# Altium PCB RS2-708_V008.PcbDoc (part 3 of 4)
Units mm, origin at the board's own origin, x right, y up, seen from the top; angles counter-clockwise.
Board outline 68 x 68 mm, 4 copper layers (Top Layer, Layer 1, Layer 2, Bottom Layer), stack 0.783 mm thick; 240 components, 170 nets, 860 pads, 385 vias.
Unrouted connection lines stored in the file: 3.
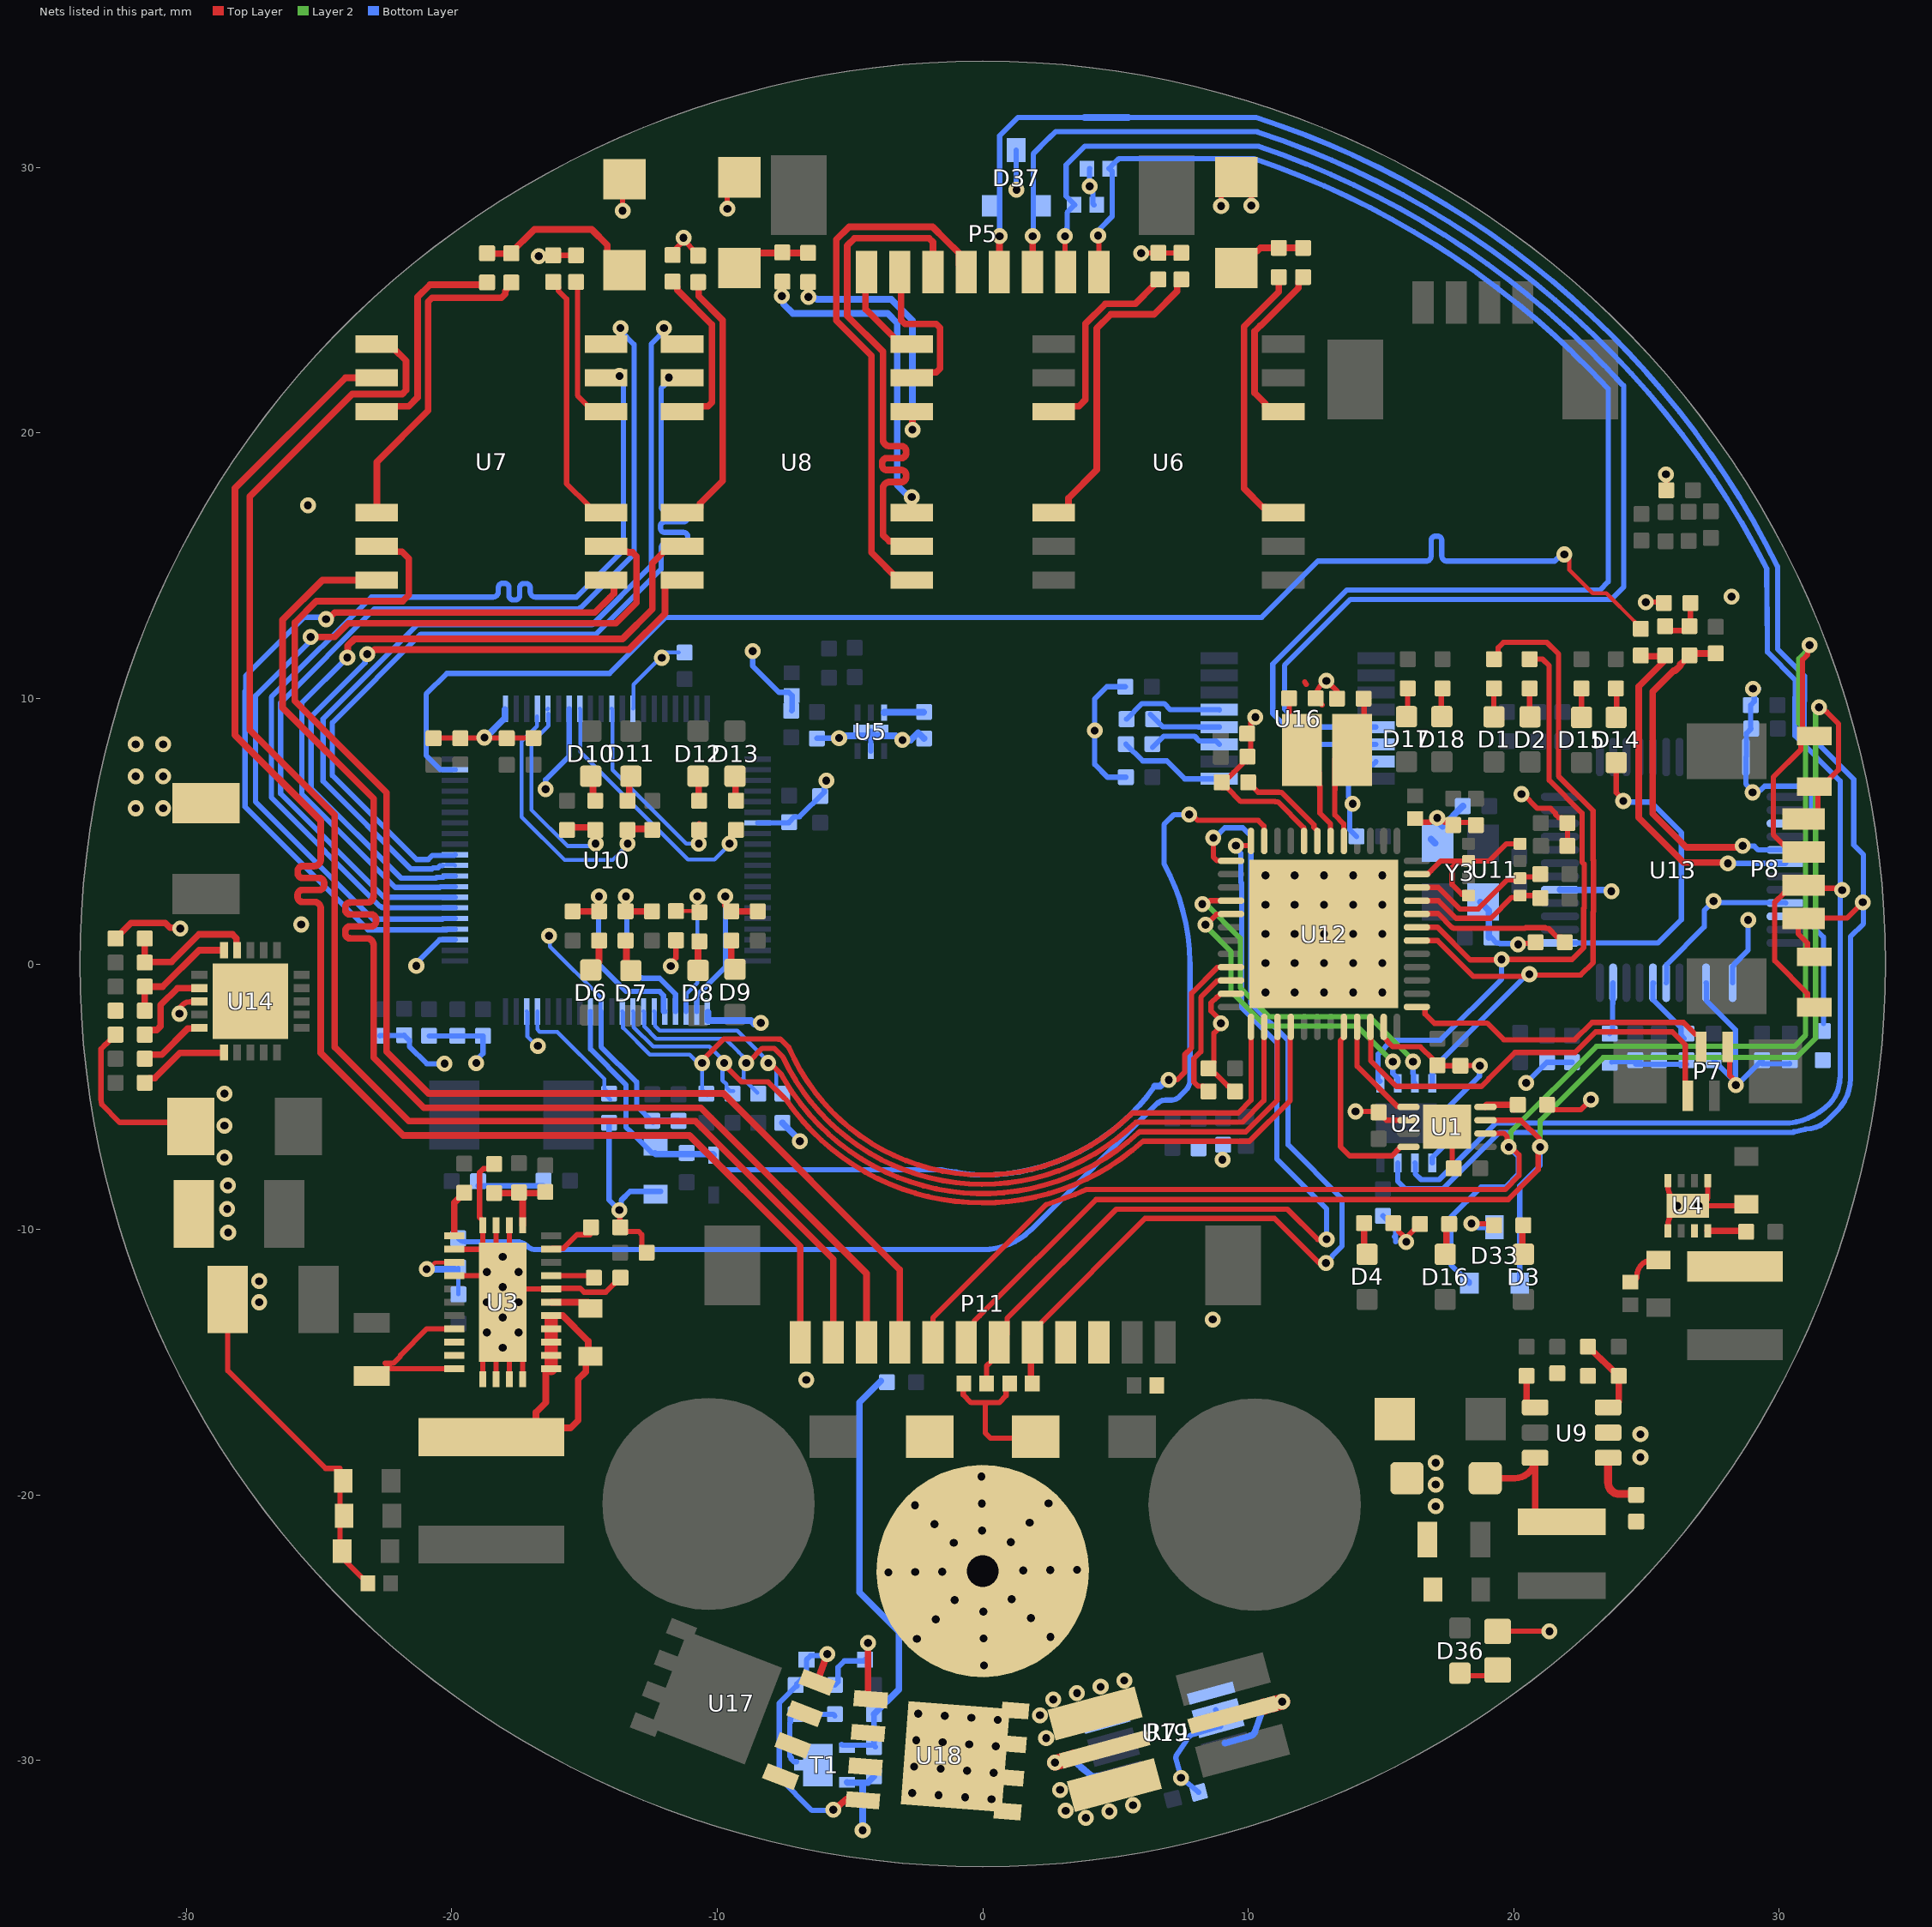
[diagram p5: the nets of this part, all layers, seen from the top]

## Via types
v1: diameter 0.6, hole 0.3, Top Layer to Bottom Layer, tented both sides, 246 vias
v2: diameter 0.6, hole 0.3, Top Layer to Bottom Layer, tented bottom, 99 vias
v3: diameter 0.6, hole 0.3, Top Layer to Bottom Layer, 37 vias
v4: diameter 2, hole 1.2, Top Layer to Bottom Layer, tented bottom, 3 vias

## Nets (pads, with @x,y where several pads share a name; then routed paths per layer and width w, separated by ;. In a path a pad name is that pad's centre, name@x,y a point inside that pad or via, vN(x,y) a via of type N, cw(c..) or ccw(c..) an arc to the next point about the centre after c; other vN are vias at no path point) (continued)
B_TD_P: C24.2 U10.19 | length 54.4
  Top Layer w0.15: v1(21.903,15.421) 21.944,15.421 22.094,15.272 22.094,14.831 22.966,13.958 23.491,13.958 24.562,12.888 24.562,12.821 C24.2@24.66,12.723
  Bottom Layer w0.2: U10.19@-19.873,7.312 -20.427,7.312 -20.965,7.849 -20.965,9.271 -20.963,9.273 -20.963,10.161 -20.181,10.942 -14.051,10.942 -11.942,13.052 10.51,13.052 12.628,15.169 16.591,15.169 16.691,15.169 ccw(c16.691,15.369) 16.891,15.369 16.891,15.951 cw(c17.051,15.951) 17.051,16.111 17.131,16.111 cw(c17.131,15.951) 17.291,15.951 17.291,15.369 ccw(c17.491,15.369) 17.491,15.169 18.868,15.169 21.543,15.169 21.795,15.421 v1(21.903,15.421)
B_TX+: C24.1 R63.2 U13.6 | length 13.7
  Top Layer w0.254: C24.1@24.863,11.586 25.667,11.586 R63.2@25.701,11.62 ; R63.2@25.797,11.536 24.705,10.443 24.705,5.514 26.399,3.82 28.032,3.82 v1(28.067,3.785)
  Bottom Layer w0.2: v1@27.932,3.785 v1(28.067,3.785) 30.235,3.785 U13.6@30.243,3.793
B_TX-: C26.1 R66.1 U13.5 | length 13.2
  Top Layer w0.254: R66.1@26.606,11.565 26.56,11.565 26.278,11.283 26.278,11.241 26.081,11.043 26.023,11.043 25.234,10.254 25.234,5.663 26.508,4.389 28.569,4.389 v1(28.626,4.445) ; R66.1@26.606,11.627 26.674,11.696 C26.1@27.606,11.696
  Bottom Layer w0.2: v1(28.626,4.445) 28.634,4.437 29.066,4.437 29.21,4.293 U13.5@30.243,4.293
BME280_SCL: R41.2 U11.4 U12.45 | length 5.3
  Top Layer w0.2: U12.45@16.352,2.38 17.164,2.38 17.825,1.719 19.139,1.719 19.927,2.508 U11.4@20.237,2.508 ; U11.4@20.24,2.576 21.004,2.576 R41.2@21.056,2.525
BME280_SDA: R42.2 U11.3 U12.46 | length 5.5
  Top Layer w0.2: U12.46@16.352,2.88 17.159,2.88 17.97,2.069 18.658,2.069 19.75,3.161 U11.3@20.156,3.161 ; U11.3@20.115,3.101 U11.3@20.24,3.226 20.295,3.281 R42.2@20.907,3.281
BOOT0: R44.1 U12.44 | length 6.1
  Top Layer w0.2: U12.44@16.352,1.88 16.362,1.89 16.772,1.89 16.777,1.895 17.155,1.895 17.68,1.369 17.699,1.369 17.728,1.34 20.429,1.34 20.453,1.365 21.19,1.365 21.215,1.34 21.304,1.34 21.629,1.015 21.801,1.015 R44.1@21.965,0.851
C1+: C80.1 U16.1 | length 4.1
  Bottom Layer w0.2: C80.1@5.393,8.28 6.028,7.645 6.934,7.645 7.609,6.971 U16.1@8.912,6.971
C1-: C80.2 U16.3 | length 2.8
  Bottom Layer w0.2: C80.2@6.393,8.153 6.816,8.576 7.977,8.576 8.159,8.395 8.787,8.395 U16.3@8.912,8.271
C2+: C79.1 U16.4 | length 2.8
  Bottom Layer w0.2: C79.1@6.317,9.398 6.788,8.926 8.122,8.926 8.128,8.921 U16.4@8.912,8.921
C2-: C79.2 U16.5 | length 3.8
  Bottom Layer w0.2: C79.2@5.418,9.22 6.002,9.804 6.833,9.804 7.061,9.576 8.907,9.576 U16.5@8.912,9.571
C_RD_N: U7.2 U10.5 | length 32
  Top Layer w0.25: v1(-25.318,12.313) -24.407,12.313 -23.893,12.827 -13.818,12.827 -13.038,13.606 -13.038,15.354 -13.185,15.5 -13.359,15.5 -13.384,15.525 -13.849,15.525 U7.2@-13.945,15.621
  Bottom Layer w0.2: v1(-25.318,12.313) -25.318,12.211 -25.298,12.192 -27.386,10.104 -27.386,6.103 -22.97,1.687 -20.348,1.687 -20.323,1.712 U10.5@-19.873,1.712
C_RD_P: U7.1 U10.4 | length 30.7
  Top Layer w0.25: v1(-24.736,12.983) -24.662,12.983 -24.412,13.233 -14.605,13.233 -14.046,13.792 -13.891,13.947 -13.891,14.277 U7.1@-13.767,14.402
  Bottom Layer w0.2: v1@-24.536,13.056 -25.552,13.056 -27.761,10.847 -27.761,10.295 -27.786,10.27 -27.786,5.916 -23.157,1.287 -20.183,1.287 -20.158,1.312 U10.4@-19.873,1.312
C_RX+: P11.10 U7.16 | length 50.4
  Top Layer w0.25: U7.16@-22.82,14.455 -24.871,14.455 -26.37,12.956 -26.37,9.651 -22.941,6.222 -22.941,4.85 -22.941,2.564 cw(c-23.191,2.564) -23.191,2.314 -23.828,2.314 ccw(c-23.828,2.134) -24.008,2.134 -24.008,2.044 ccw(c-23.828,2.044) -23.828,1.864 -23.034,1.864 cw(c-23.034,1.684) -22.854,1.684 -22.854,1.594 cw(c-23.034,1.594) -23.034,1.414 -23.828,1.414 ccw(c-23.828,1.234) -24.008,1.234 -24.008,1.144 ccw(c-23.828,1.144) -23.828,0.964 -23.191,0.964 cw(c-23.191,0.714) -22.941,0.714 -22.941,0.589 -22.941,-3.526 -21.048,-5.42 -10.615,-5.42 -4.375,-11.66 P11.10@-4.375,-14.25
C_RX-: P11.9 U7.15 | length 50.5
  Top Layer w0.25: U7.15@-22.82,15.725 -22.62,15.525 -21.875,15.525 -21.615,15.265 -21.615,13.894 -21.844,13.665 -25.095,13.665 -25.908,12.852 -25.908,9.905 -22.454,6.45 -22.454,-3.3 -20.875,-4.879 -9.764,-4.879 -3.125,-11.518 P11.9@-3.125,-14.25
C_TD_N: U7.8 U10.7 | length 36
  Bottom Layer w0.2: U10.7@-19.873,2.512 -22.545,2.512 -26.446,6.413 -26.446,9.834 -22.92,13.36 -15.222,13.36 -15.164,13.418 -15.137,13.418 -13.131,15.424 -13.131,23.325 -13.644,23.838 v1(-13.644,23.946)
C_TD_P: U7.7 U10.6 | length 36.3
  Bottom Layer w0.2: U10.6@-19.873,2.112 -22.616,2.112 -22.666,2.162 -22.69,2.162 -26.796,6.268 -26.796,10.046 -23.025,13.818 -18.544,13.818 -18.444,13.818 ccw(c-18.444,14.018) -18.244,14.018 -18.244,14.173 cw(c-18.084,14.173) -18.084,14.333 -18.004,14.333 cw(c-18.004,14.173) -17.844,14.173 -17.844,13.87 ccw(c-17.684,13.87) -17.684,13.71 -17.604,13.71 ccw(c-17.604,13.87) -17.444,13.87 -17.444,14.166 cw(c-17.284,14.166) -17.284,14.326 -17.204,14.326 cw(c-17.204,14.166) -17.044,14.166 -17.044,14.018 ccw(c-16.844,14.018) -16.844,13.818 -15.715,13.818 -15.303,13.818 -13.531,15.589 -13.531,21.883 -13.681,22.033 v1(-13.681,22.142)
C_TX+: P11.12 U7.10 | length 57.1
  Top Layer w0.25: U7.10@-23.089,22.073 -24.003,22.073 -28.162,17.913 -28.162,8.62 -24.934,5.392 -24.934,5.193 -24.934,3.936 cw(c-25.184,3.936) -25.184,3.686 -25.617,3.686 ccw(c-25.617,3.506) -25.797,3.506 -25.797,3.416 ccw(c-25.617,3.416) -25.617,3.236 -24.988,3.236 cw(c-24.988,3.056) -24.808,3.056 -24.808,2.966 cw(c-24.988,2.966) -24.988,2.786 -25.624,2.786 ccw(c-25.624,2.606) -25.804,2.606 -25.804,2.516 ccw(c-25.624,2.516) -25.624,2.336 -25.184,2.336 cw(c-25.184,2.086) -24.934,2.086 -24.934,1.961 -24.934,-3.35 -21.824,-6.46 -11.046,-6.46 -6.875,-10.632 P11.12@-6.875,-14.25
C_TX-: P11.11 U7.9 | length 56.6
  Top Layer w0.25: U7.9@-22.174,23.165 -21.717,22.708 -21.717,21.609 -21.863,21.463 -23.749,21.463 -27.61,17.602 -27.61,8.81 -24.408,5.607 -24.408,-3.13 -21.616,-5.922 -10.823,-5.922 -5.625,-11.12 P11.11@-5.625,-14.25
CAN1_RX: U1.4 U12.32 | length 7.4
  Top Layer w0.2: U12.32@13.602,-2.37 13.602,-2.758 13.474,-2.887 13.474,-6.882 13.819,-7.227 15.412,-7.227 15.713,-6.926 15.751,-6.888 U1.4@16.038,-6.888
CAN1_TX: U1.1 U12.33 | length 4.1
  Top Layer w0.2: U12.33@14.102,-2.37 14.102,-3.85 15.631,-5.378 16.028,-5.378 U1.1@16.038,-5.388
CAN_H: D33.1 P8.1 P11.7 R39.1 U1.7 | length 63.6
  Top Layer w0.2: P11.7@-0.625,-14.25 -0.325,-13.95 -0.325,-13.464 -0.118,-13.257 4.264,-8.875 19.797,-8.875 20.922,-7.749 v1@20.922,-6.896 ; U1.7@18.938,-5.888 20.266,-5.888 v1@20.982,-6.604 ; P8.1@30.918,5.462 31.159,5.462 31.459,5.762 R39.1@31.459,6.587 ; R39.1@31.325,6.682 31.459,6.682 31.625,6.682 31.875,6.932 31.875,6.946 32.232,7.303 32.232,9.048 31.787,9.493 31.776,9.493 31.58,9.689 v1@31.508,9.689
  Layer 2 w0.2: v1(20.993,-6.894) 20.998,-6.89 20.998,-5.901 23.376,-3.522 30.646,-3.522 31.368,-2.8 v1@31.368,9.474
  Bottom Layer w0.2: D33.1@20.227,-12.021 20.227,-8.356 20.996,-7.587 v1@20.996,-6.825
  other v1: 31.496,9.665
CAN_L: D33.2 P8.2 P11.8 R39.2 U1.6 | length 71.7
  Top Layer w0.2: P11.8@-1.875,-14.55 P11.8@-1.875,-14.25 -1.875,-13.33 2.389,-9.067 3.05,-8.838 ccw(c0,0) 3.901,-8.497 19.679,-8.497 20.201,-7.976 20.201,-7.189 19.907,-6.894 v1@19.887,-6.894 ; U1.6@19.059,-6.378 19.625,-6.378 19.753,-6.506 19.753,-6.835 v1(19.813,-6.894) ; P8.2@30.197,4.455 29.778,4.874 29.778,7.035 30.812,8.07 30.812,8.332 31.062,8.582 R39.2@31.325,8.582 ; R39.2@30.843,8.536 30.879,8.572 30.879,11.456 31.066,11.643 31.066,11.934 v1(31.143,12.011)
  Layer 2 w0.2: v1@19.887,-6.894 19.887,-6.326 23.111,-3.102 30.571,-3.102 30.992,-2.681 30.992,8.808 30.737,9.063 30.737,11.497 31.143,11.902 v1(31.143,12.011)
  Bottom Layer w0.2: D33.2@18.327,-12.021 18.327,-11.971 18.077,-11.721 18.027,-11.721 17.631,-11.325 17.631,-9.541 18.773,-8.399 19.689,-8.399 20.179,-7.909 20.179,-7.258 v1@19.902,-6.981
CurrentSense_+: R71.3 U19.8 | length 3.5
  Top Layer w0.6: v1(2.717,-30.081) R71.3@3.453,-29.883
  Bottom Layer w0.25: v1(2.717,-30.081) 3.181,-29.944 cw(c3.252,-30.184) 3.418,-29.997 3.419,-29.998 3.452,-30.028 3.699,-30.248 ccw(c3.866,-30.062) 3.707,-30.255 4.058,-30.543 ccw(c4.217,-30.35) 4.284,-30.591 4.315,-30.582 cw(c4.383,-30.823) 4.342,-30.576 5.184,-30.435
CurrentSense_-: R71.4 U19.1 | length 3.6
  Top Layer w0.6: R71.4@10.592,-27.97 R71.4@10.947,-27.875 ; R71.4@10.996,-27.862 v1(11.279,-27.786)
  Bottom Layer w0.25: 9.125,-29.345 10.089,-29.072 ccw(c10.021,-28.831) 10.256,-28.914 10.514,-28.185 cw(c10.75,-28.269) 10.658,-28.037 v1(11.279,-27.786)
D_RD_N: U8.8 U10.9 | length 25.9
  Top Layer w0.25: v1(-23.184,11.668) -23.076,11.668 -22.907,11.836 -13.335,11.836 -11.963,13.208 U8.8@-11.963,14.478
  Bottom Layer w0.2: v1(-23.184,11.668) -23.26,11.591 -23.26,11.342 -25.298,9.304 -25.298,6.619 -21.909,3.23 -20.596,3.23 -20.564,3.262 -20.323,3.262 -20.273,3.312 U10.9@-19.873,3.312
D_RD_P: U8.7 U10.8 | length 28
  Top Layer w0.25: v1(-23.933,11.543) -23.919,11.558 -23.919,11.983 -23.659,12.243 -13.564,12.243 -12.446,13.36 -12.446,15.088 U8.7@-11.989,15.545
  Bottom Layer w0.2: v1(-23.933,11.543) -25.648,9.828 -25.648,6.403 -22.126,2.88 -20.451,2.88 -20.419,2.912 U10.8@-19.873,2.912
D_RX+: P5.6 U8.10 | length 20.1
  Top Layer w0.25: U8.10@-2.68,15.725 -2.88,15.925 -3.53,15.925 -3.755,16.15 -3.755,17.326 -3.755,17.901 cw(c-3.505,17.901) -3.505,18.151 -3.066,18.151 ccw(c-3.066,18.331) -2.886,18.331 -2.886,18.421 ccw(c-3.066,18.421) -3.066,18.601 -3.611,18.601 cw(c-3.611,18.781) -3.791,18.781 -3.791,18.871 cw(c-3.611,18.871) -3.611,19.051 -3.066,19.051 ccw(c-3.066,19.231) -2.886,19.231 -2.886,19.321 ccw(c-3.066,19.321) -3.066,19.501 -3.505,19.501 cw(c-3.505,19.751) -3.755,19.751 -3.755,20.681 -3.755,23.059 -5.105,24.409 -5.105,27.051 -4.826,27.33 -2.021,27.33 -1.875,27.184 P5.6@-1.875,26.05
D_RX-: P5.5 U8.9 | length 20.3
  Top Layer w0.25: U8.9@-2.68,14.455 -3.155,14.455 -4.191,15.491 -4.191,22.911 -5.512,24.232 -5.512,27.28 -5.029,27.762 -1.888,27.762 -1.378,27.253 -0.9,26.775 -0.9,26.325 P5.5@-0.625,26.05
D_TD_N: U8.2 U10.11 | length 33.6
  Bottom Layer w0.2: U10.11@-19.873,4.112 -19.898,4.087 -20.729,4.087 -20.886,3.93 -21.326,3.93 -24.496,7.1 -24.496,9.082 -21.158,12.421 -14.554,12.421 -12.114,14.861 -12.114,15.152 -12.114,15.652 cw(c-11.914,15.652) -11.914,15.852 -11.269,15.852 ccw(c-11.269,16.012) -11.109,16.012 -11.109,16.092 ccw(c-11.269,16.092) -11.269,16.252 -11.976,16.252 cw(c-11.976,16.412) -12.136,16.412 -12.136,16.492 cw(c-11.976,16.492) -11.976,16.652 -11.269,16.652 ccw(c-11.269,16.812) -11.109,16.812 -11.109,16.892 ccw(c-11.269,16.892) -11.269,17.052 -11.914,17.052 cw(c-11.914,17.252) -12.114,17.252 -12.114,19.176 -12.114,21.675 -11.989,21.799 -11.989,21.803 -11.821,21.971 v1(-11.821,22.08)
D_TD_P: U8.1 U10.10 | length 32.5
  Bottom Layer w0.15: U10.10@-20.203,3.737 -19.898,3.737 U10.10@-19.873,3.712
  Bottom Layer w0.2: U10.10@-20.344,3.699 -20.44,3.699 -20.518,3.621 -20.7,3.621 -20.741,3.58 -21.543,3.58 -24.846,6.884 -24.846,9.227 -21.303,12.771 -14.712,12.771 -12.486,14.997 -12.486,23.344 -12.169,23.661 -12.169,23.674 -12.006,23.838 v1(-12.006,23.946)
D_TX+: P5.8 U8.16 | length 3.4
  Top Layer w0.25: P5.8@-4.42,25.781 -4.42,24.663 -3.355,23.599 -3.355,23.545 -3.155,23.345 U8.16@-2.68,23.345
D_TX-: P5.7 U8.15 | length 6.4
  Top Layer w0.25: P5.7@-3.073,26.289 -3.073,24.251 -2.927,24.105 -1.751,24.105 -1.605,23.958 -1.605,22.421 -1.751,22.275 -2.48,22.275 U8.15@-2.68,22.075
EN_12V: R67.2 U12.11 | length 44.7
  Top Layer w0.2: v1(7.78,5.624) 7.883,5.624 8.097,5.409 10.374,5.409 10.593,5.19 10.593,4.64 U12.11@10.602,4.63
  Bottom Layer w0.2: R67.2@-19.752,-10.336 ccw(c-19.435,-10.019) -19.435,-10.468 -17.534,-10.468 cw(c-17.534,-10.99) -17.164,-10.621 ccw(c-16.834,-10.291) -16.834,-10.758 0.014,-10.758 ccw(c0.014,-8.218) 1.81,-10.014 6.583,-5.24 ; 6.596,-5.246 cw(c6.887,-5.537) 6.887,-5.126 7.119,-5.126 ccw(c7.119,-4.738) 7.393,-5.012 7.633,-4.772 ccw(c7.206,-4.346) 7.809,-4.346 7.809,0.048 ; 6.829,3.759 6.829,5.251 7.202,5.624 v1(7.78,5.624) ; 6.833,3.763 cw(c0,0) 7.8,0.072
EXRES1: R57.1 U13.10 | length 5
  Bottom Layer w0.2: U13.10@30.243,1.793 30.889,1.793 31.666,1.016 R57.1@31.666,-2.235
GND: C1.2 C2.2 C3.2 C4.2 C5.2 C6.2 C7.1 C8.2 C10.2 C11.2 C13.1 C14.2 C15.2 C16.2 C17.2 C18.2 C19.2 C20.2 C21.2 C22.2 C23.2 C25.2 C27.2 C29.2 C30.2 C31.2 C32.2 C33.2 C34.2 C35.2 C36.2 C37.2 C38.2 C39.2 C40.2 C41.2 C42.2 C43.2 C44.2 C45.2 C46.2 C47.2 C48.2 C49.2 C50.2 C51.2 C52.2 C53.2 C54.1 C55.2 C56.1 C57.2 C58.1 C59.2 C60.1 C61.1 C62.2 C64.2 C65.2 C67.2 C68.2 C69.2 C70.2 C71.2 C72.2 C73.2 C74.2 C75.2 C76.2 C77.2 C78.2 C81.2 C82.2 C83.2 C84.2 C85.2 C86.2 C87.2 C88.2 D20.1 D21.1 D22.2 D23.1 D24.2 D25.2 D26.1 D27.1 D29.2 D30.2 D31.2 D33.3 D34.1 D35.1 D37.3 P7.4 P9.1 P11.3 P11.4 R1.1 R7.1 R8.1 R9.1 R10.1 R22.2 R23.1 R27.2 R44.2 R45.1 R46.1 R48.1 R57.2 R59.1 R60.1 R64.1 R68.1 R75.2 R77.1 T1.2 U1.2 U1.9 U2.5 U3.7 U3.13 U3.14 U3.15 U3.17 U3.19 U3.23 U3.24 U3.25 U3.26 U3.27 U3.28 U3.29 U3.30 U3.31 U4.1 U4.4 U4.5 U4.9 U5.2 U5.7 U9.2 U10.3 U10.21 U10.27 U10.33 U10.47 U10.61 U10.71 U10.78 U11.1 U11.5 U11.7 U12.8 U12.23 U12.35 U12.47 U12.49 U13.3 U13.9 U13.14 U13.16 U13.19 U13.29 U13.48 U14.8 U14.21 U16.15 U19.2 U19.3 Y3.2 Y3.4 | length 244.3
  Top Layer w0.2: R64.1@-32.662,-2.664 -33.017,-3.02 -33.03,-3.02 -33.212,-3.201 -33.212,-5.095 -33.182,-5.294 -32.51,-5.967 D31.2@-29.87,-5.967 ; v3@-30.274,-1.844 cw(c-29.858,-1.844) -29.858,-1.427 -29.791,-1.427 -29.791,-1.408 U14.8@-29.505,-1.408 ; C7.1@-28.437,-12.639 -28.437,-15.317 -24.755,-18.999 -24.207,-18.999 C88.2@-24.207,-22.046 ; C88.2@-24.154,-22.339 -23.348,-23.145 -23.323,-23.145 -23.148,-23.32 D23.1@-23.148,-23.345 ; C40.2@-20.549,8.538 -20.518,8.507 C33.2@-16.923,8.507 ; U3.26@-19.902,-15.242 -22.298,-15.242 -22.502,-15.038 -22.202,-15.038 -21.927,-14.763 -21.927,-14.729 -20.94,-13.742 U3.23@-19.902,-13.742 ; U3.19@-19.902,-11.742 U3.31@-18.877,-11.742 ; U3.17@-19.902,-10.742 -19.899,-10.745 -18.877,-10.745 U3.31@-18.827,-10.795 ; U3.27@-18.827,-15.642 -18.827,-13.692 U3.31@-18.327,-13.192 ; R8.1@-18.399,-7.531 -18.58,-7.711 -18.808,-7.711 -18.949,-7.852 -18.949,-9.544 -18.827,-9.667 U3.31@-18.827,-10.795 ; U3.28@-18.327,-15.642 U3.31@-18.327,-13.192 ; U3.31@-18.327,-11.602 U3.14@-18.327,-9.842 ; U3.29@-17.827,-15.642 U3.31@-17.827,-12.992 ; U3.13@-17.827,-9.842 U3.31@-17.827,-12.492 ; U3.30@-17.327,-15.642 -17.327,-13.492 U3.31@-17.827,-12.992 ; v1(-16.726,26.659) -16.697,26.687 C18.2@-16.18,26.687 C20.2@-15.316,26.687 ; -15.868,-12.217 -16.227,-12.217 U3.7@-16.252,-12.242 -17.577,-12.242 U3.31@-17.827,-12.492 ; -15.867,-12.216 -15.163,-12.216 -15.014,-12.365 -14.196,-12.365 C4.2@-13.646,-11.815 ; v1(-13.688,-9.273) -13.671,-9.29 -13.671,-9.901 R7.1@-13.655,-9.918 ; v1@-13.564,28.321 -13.564,29.472 C22.2@-13.487,29.548 ; R7.1@-13.497,-10.076 -12.958,-10.076 -12.841,-10.193 -12.841,-10.693 C13.1@-12.66,-10.874 ; v1(-11.746,-0.082) -11.746,0.026 -11.555,0.217 R27.2@-11.555,0.889 ; C23.2@-11.684,26.814 v1@-11.346,27.153 ; v1(-11.269,27.344) -11.346,27.268 v1@-11.346,27.153 ; C25.2@-10.795,26.789 -11.252,27.246 v1@-11.346,27.153 ; v1(-9.62,28.44) -9.62,29.174 C27.2@-9.169,29.625 -9.169,29.527 C27.2@-8.683,29.04 ; D30.2@-0.734,-15.752 -0.734,-16.227 -0.437,-16.524 0.174,-16.524 ; D29.2@1.016,-15.795 0.882,-15.929 0.882,-16.261 0.619,-16.524 0.174,-16.524 ; D20.1@1.44,-17.864 0.298,-17.864 0.094,-17.66 0.094,-16.604 0.174,-16.524 ; v1(5.965,26.771) 5.974,26.779 C17.2@6.616,26.779 C19.2@7.48,26.779 ; C50.2@8.506,-3.931 8.706,-4.131 8.755,-4.131 9.225,-4.601 9.306,-4.601 C55.2@9.506,-4.801 ; C50.2@8.602,-3.836 8.706,-3.731 8.706,-2.607 8.969,-2.345 8.969,-2.142 8.602,-1.775 8.602,-1.464 8.822,-1.245 8.839,-1.245 8.964,-1.12 U12.23@9.352,-1.12 ; v1(8.98,28.545) 8.98,29.019 8.958,29.041 C21.2@9.55,29.633 10.118,29.065 v1(10.118,28.555) ; C57.2@8.991,6.65 9,6.641 9.198,6.641 9.72,6.119 11.014,6.119 11.025,6.108 11.112,6.108 12.093,5.128 12.093,4.905 U12.8@12.103,4.895 ; C57.2@8.998,6.841 9.198,7.041 9.281,7.041 9.448,7.208 9.63,7.391 C54.1@9.781,7.541 ; C54.1@9.964,7.617 10.093,7.746 v1@10.093,9.082 ; 12.129,10.62 12.184,10.534 ; C58.1@12.599,9.815 12.599,10.291 v1@12.77,10.556 ; C58.1@12.773,9.763 C58.1@12.779,9.757 ; v1@13.065,10.556 13.359,10.262 C56.1@13.359,9.785 ; v1(14.044,-5.554) 14.874,-5.554 C2.2@14.907,-5.588 15.207,-5.888 U1.2@16.038,-5.888 ; U12.35@15.102,-2.37 15.102,-2.758 15.227,-2.883 15.227,-2.9 15.447,-3.12 15.758,-3.12 16.479,-3.12 16.974,-3.615 17.072,-3.615 C53.2@17.272,-3.815 ; R10.1@15.462,-9.762 15.662,-9.962 15.662,-10.066 15.878,-10.282 16.031,-10.282 16.031,-10.232 R68.1@16.469,-9.794 ; D26.1@16.271,5.336 16.844,5.336 16.98,5.472 v1@17.131,5.472 ; U12.47@16.352,3.38 16.362,3.39 U12.47@16.762,3.39 ; U12.47@16.762,3.389 U12.47@16.762,3.39 ; v1(17.119,5.502) 17.227,5.502 17.401,5.328 C48.2@18.621,5.328 ; C53.2@17.323,-3.835 18.212,-3.835 18.22,-3.827 18.711,-3.827 v1(18.721,-3.837) ; U1.9@17.551,-6.543 17.68,-6.673 17.68,-7.833 C1.2@17.7,-7.852 ; 18.046,3.809 17.856,3.809 17.676,3.629 17.676,2.989 18.047,2.617 ; U11.5@18.175,2.701 U11.5@18.3,2.576 ; v1(18.409,-9.783) 19.154,-9.783 R9.1@19.305,-9.933 ; R77.1@19.532,-25.127 21.336,-25.127 v1(21.347,-25.139) ; v1(20.168,0.737) 20.207,0.776 20.782,0.776 R44.2@20.822,0.815 ; U11.1@20.24,4.526 19.728,4.526 19.078,3.876 U11.7@18.3,3.876 17.254,3.876 16.883,3.505 16.878,3.505 U12.47@16.762,3.39 ; v1(20.289,6.396) 20.354,6.396 20.89,5.86 21.391,5.86 21.572,5.678 21.572,5.627 21.69,5.51 21.822,5.51 C46.2@22.022,5.31 ; R1.1@21.124,-5.486 22.53,-5.486 v1(22.911,-5.105) ; C46.2@21.906,5.329 22.025,5.209 C47.2@22.025,4.445 ; D22.2@24.396,-11.988 D22.2@24.396,-11.988 ccw(c24.397,-11.74) 24.645,-11.74 cw(c25.237,-11.74) 25.237,-11.148 C11.2@25.452,-11.148 ; v1(24.978,13.625) 25.596,13.625 25.611,13.64 C64.2@25.658,13.593 ; v1(25.731,18.44) 25.731,18.512 25.754,18.536 25.754,17.848 C59.2@25.748,17.842 ; U4.5@25.808,-10.056 25.808,-9.856 cw(c26.558,-9.856) U4.9@26.558,-9.106 cw(c26.558,-8.356) 25.808,-8.356 U4.4@25.808,-8.156 ; U4.1@27.308,-8.156 27.308,-8.756 cw(c26.958,-8.756) v2(26.958,-9.106) 28.422,-9.106 ccw(c28.422,-9.071) C10.2@28.457,-9.071 ; P7.4@28.06,-3.476 28.135,-3.551 28.135,-4.2 28.29,-4.354 28.29,-4.487 v1(28.366,-4.563) ; U3.31@-18.827,-10.795 -18.827,-11.992 U3.31@-18.077,-12.742 ; U3.31@-18.327,-13.192 -18.327,-12.992 U3.31@-18.077,-12.742 ; U3.31@-18.077,-12.742 U3.31@-17.827,-12.992 ; U3.31@-18.077,-12.742 U3.31@-17.827,-12.492
  Top Layer w0.25: R59.1@-32.662,0.957 -32.076,1.543 -30.785,1.543 -30.611,1.368 -30.283,1.368 -30.246,1.331 v1(-30.221,1.331)
  Bottom Layer w0.15: U10.78@-17.173,-1.788 -17.15,-1.811 -17.15,-2.737 -16.802,-3.086 v1(-16.756,-3.086) ; v1(-16.337,1.061) -16.298,1.022 -16.298,0.656 -14.398,-1.244 -14.398,-1.763 U10.71@-14.373,-1.788 ; U10.33@-13.173,9.612 -13.148,9.637 -13.148,10.525 -11.938,11.735 C45.2@-11.447,11.735
  Bottom Layer w0.2: C36.2@-22.708,-2.71 -22.695,-2.697 -21.806,-2.697 C37.2@-21.793,-2.684 -21.593,-2.884 -21.593,-3.109 -20.943,-3.759 v1(-20.269,-3.759) ; v1(-21.332,-0.071) -21.332,0.036 -20.457,0.912 U10.3@-19.873,0.912 ; C41.2@-20.853,-2.71 C35.2@-19.787,-2.71 C39.2@-18.821,-2.71 -18.821,-3.372 -19.075,-3.626 v1(-19.075,-3.734) ; C30.2@-19.007,-8.357 C29.2@-16.553,-8.357 ; v1(-16.461,6.58) -16.461,6.94 -15.573,7.828 U10.27@-15.573,9.612 ; U10.71@-14.373,-1.788 -14.373,-3.118 -13.055,-4.436 -13.037,-4.436 -13.03,-4.443 -13.03,-5.359 C43.2@-12.421,-5.969 ; R23.1@-14.072,-5.986 -14.072,-8.885 v1@-13.666,-9.29 ; v1@-13.614,-9.199 -13.614,-8.898 -13.283,-8.567 C31.2@-12.123,-8.567 ; v1(-8.666,11.785) -8.666,11.22 -7.674,10.227 -7.31,10.227 D24.2@-7.192,10.11 ; U10.47@-8.473,5.312 C34.2@-7.296,5.312 ; C34.2@-7.29,5.342 -7.092,5.54 -6.898,5.54 -5.97,6.468 -5.97,6.83 v1(-5.893,6.906) ; C15.2@-7.196,9.534 -7.179,9.552 D24.2@-7.179,10.11 ; C14.2@-6.248,8.492 -6.24,8.5 -5.419,8.5 v1(-5.41,8.509) ; U5.2@-4.216,8.015 U5.7@-4.216,8.738 ; D37.3@1.261,30.652 1.261,29.167 v1(1.274,29.154) ; v1@4.008,29.264 v1(4.03,29.286) 4.03,29.178 4.153,29.054 4.153,28.628 D34.1@4.193,28.588 ; v1@4.022,29.295 4.022,29.944 D35.1@4.03,29.953 ; C82.2@5.367,10.439 4.674,10.439 4.216,9.982 v1(4.216,8.788) 4.216,7.518 4.699,7.036 C81.2@5.393,7.036 ; C84.2@8.134,-31.199 v1(7.471,-30.654) 7.282,-29.951 cw(c7.475,-29.899) 7.309,-29.787 7.771,-29.108 cw(c7.937,-29.221) 7.881,-29.029 U19.3@8.952,-28.719 U19.2@8.779,-28.092 ; C78.2@14.08,4.801 13.82,5.06 13.82,5.805 13.935,5.92 13.935,6.136 13.78,6.292 13.78,7.226 14.049,7.496 14.687,7.496 U16.15@14.812,7.621 ; C3.2@15.074,-9.489 15.552,-9.967 15.552,-10.467 ; 15.506,-10.269 15.552,-10.315 ; U2.5@16.931,-7.496 16.931,-7.296 17.551,-6.676 17.551,-5.385 18.71,-4.226 v1@18.71,-3.876 ; v1@18.244,-9.709 18.444,-9.709 18.656,-9.921 D33.3@19.277,-9.921 ; v1(18.721,-3.837) v1@18.899,-3.837 ; C60.1@19.161,0.991 19.361,0.791 19.452,0.791 19.478,0.765 20.139,0.765 v1(20.168,0.737) ; v1(20.472,-4.479) 20.475,-4.479 C74.2@21.246,-3.708 ; C74.2@21.256,-3.699 C74.2@21.246,-3.708 ; C73.2@22.195,-3.699 22.186,-3.708 C74.2@21.246,-3.708 ; R60.1@23.69,-3.7 23.715,-3.675 24.554,-3.675 C75.2@24.579,-3.65 ; C75.2@24.579,-3.751 24.605,-3.777 C75.2@24.757,-3.777 ; C75.2@24.757,-3.599 C75.2@24.757,-3.777 ; U13.19@25.743,-0.707 25.763,-0.688 25.763,-0.022 27.175,1.391 27.175,2.012 v1(27.526,2.362) 27.576,2.312 30.224,2.312 U13.9@30.243,2.293 ; C62.2@26.281,-3.802 C62.2@26.256,-3.777 ; C62.2@26.51,-3.777 C62.2@26.256,-3.777 ; U13.16@27.243,-0.707 27.263,-0.727 27.263,-1.391 28.353,-2.482 v1@28.353,-4.568 ; C69.2@27.53,-3.622 28.194,-4.286 ; U13.14@28.243,-0.707 28.243,-0.105 28.293,-0.055 28.293,-0.017 28.829,0.519 v1(28.829,1.651) ; v1@28.534,-4.468 28.358,-4.468 28.229,-4.597 28.382,-4.597 C71.2@29.354,-3.625 ; v1(29.016,10.365) 29.226,10.365 29.063,10.202 29.063,9.884 C67.2@28.927,9.748 28.927,8.88 C68.2@28.942,8.866 28.763,8.687 28.763,7.812 U13.48@28.743,7.793 28.743,6.778 28.993,6.528 v1(28.993,6.461) 29.069,6.537 29.293,6.537 29.448,6.693 31.051,6.693 31.218,6.525 31.218,5.627 30.903,5.312 U13.3@30.263,5.312 ; C71.2@29.323,-3.72 29.367,-3.764 30.383,-3.764 C72.2@30.396,-3.751 ; C75.2@24.757,-3.777 C62.2@26.256,-3.777